# Altium PCB DC-DC_PWM_IV_Controller.PcbDoc (part 2 of 2)
Units mm, origin at the board's own origin, x right, y up, seen from the top; angles counter-clockwise.
Board outline 90.1 x 70.25 mm, 2 copper layers (Top Layer, Bottom Layer); 159 components, 95 nets, 423 pads, 88 vias.
Unrouted connection lines stored in the file: 1.
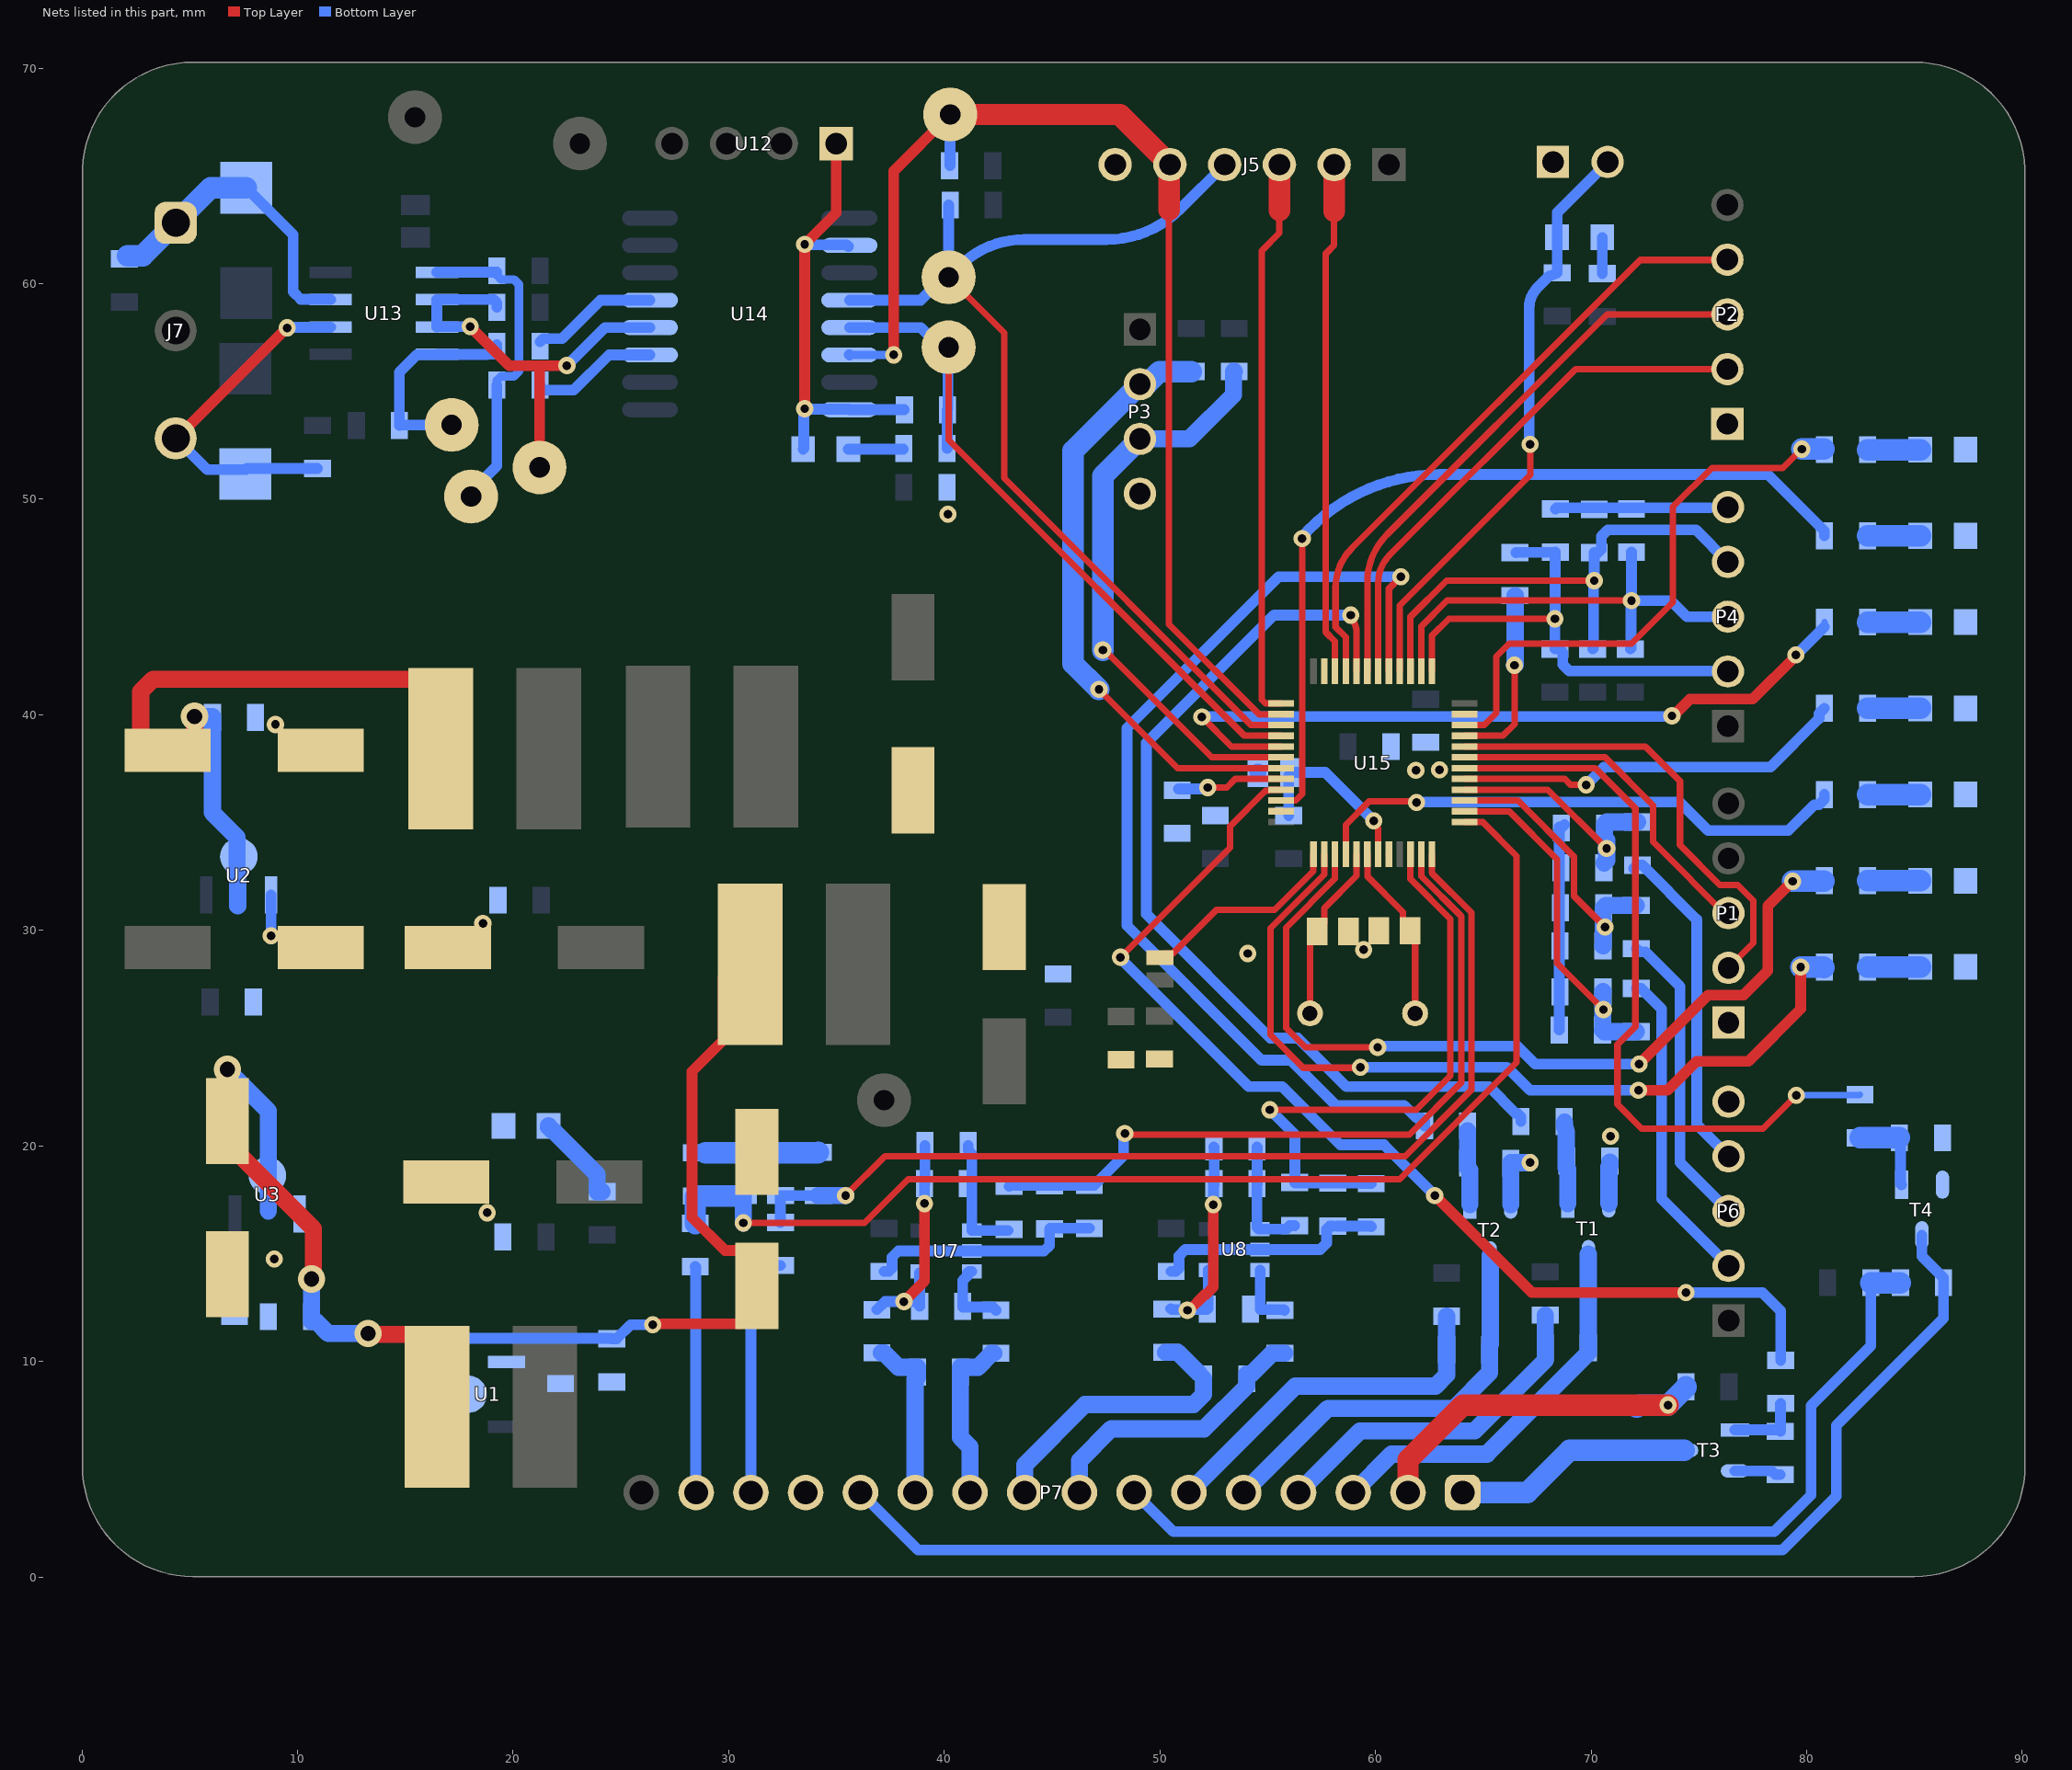
[diagram p2: the nets of this part, all layers, seen from the top]

## Via types
v1: diameter 0.8, hole 0.4, Top Layer to Bottom Layer, tented both sides, 79 vias
v2: diameter 1.27, hole 0.711, Top Layer to Bottom Layer, tented both sides, 8 vias
v3: diameter 0.8, hole 0.4, Top Layer to Bottom Layer, 1 vias

## Nets (pads, with @x,y where several pads share a name; then routed paths per layer and width w, separated by ;. In a path a pad name is that pad's centre, name@x,y a point inside that pad or via, vN(x,y) a via of type N, cw(c..) or ccw(c..) an arc to the next point about the centre after c; other vN are vias at no path point) (continued)
GND_III: C1.1 C2.2 C3.1 C4.2 C5.1 C16.1 C17.1 C18.2 C19.1 C22.2 C23.1 C24.2 C25.1 C30.1 C32.1 C36.1 C37.1 C38.2 C39.2 C40.1 C45.1 C46.2 C49.1 C50.1 C51.1 C52.1 C53.1 C54.2 C55.2 C56.2 C57.1 C58.1 C59.1 C60.1 C61.1 C62.1 C63.1 C64.1 D5.2 D6.2 D7.2 D8.2 D9.2 D10.2 D11.2 D12.2 D13.2 J5.6 P1.1 P2.1 P3.4 P4.5 P5.1 P6.5 P7.13 R4.1 R8.1 R27.2 R28.2 R41.1 R50.1 R51.1 R59.1 R71.1 R72.1 R73.1 R74.1 R75.1 T1.2 T2.2 T3.2 T4.2 U1.1 U2.1 U3.1 U7.2 U8.2 U12.1 U14.2 U14.8 U15.8 U15.23 U15.35 U15.47 | length 74.6
  Top Layer w0.254: v1(33.525,54.2) v1@33.534,54.209
  Top Layer w0.3: U15.8@60.625,33.525 U15.8@60.627,33.527
  Top Layer w0.5: v1@33.534,54.209 33.525,54.218 v1(33.525,61.825) 34.985,63.285 U12.1@34.985,66.5
  Bottom Layer w0.254: v1(33.525,54.2) v1@33.547,54.178 ; U14.2@35.55,61.725 U14.2@35.6,61.775 ; U14.8@35.577,54.178 U14.8@35.6,54.155 ; R41.1@38.145,54.155 R41.1@38.15,54.15
  Bottom Layer w0.5: v1(8.775,29.75) U2.1@8.775,31.644 ; D6.2@33.45,52.325 33.487,52.362 33.487,54.163 v1(33.525,54.2) ; v1(33.525,61.825) 33.55,61.8 35.475,61.8 U14.2@35.55,61.725 ; v1@33.547,54.178 U14.8@35.577,54.178 ; U14.8@35.6,54.155 R41.1@38.145,54.155 ; C16.1@37.204,14.175 37.429,14.175 37.579,14.325 37.579,14.832 37.872,15.125 44.629,15.125 44.879,15.375 C30.1@44.879,16.15 44.904,16.175 R27.2@46.729,16.175 ; C17.1@50.529,14.175 50.74,14.175 50.89,14.325 50.89,14.9 51.182,15.193 U8.2@54.65,15.193 57.439,15.193 57.732,15.486 57.732,16.125 57.882,16.275 R28.2@58.029,16.275 ; R28.2@58.229,16.275 59.779,16.275 C32.1@59.804,16.25 ; C64.1@68.35,49.55 68.402,49.603 75.523,49.603 ; C59.1@68.5,34.625 C59.1@68.775,34.9 ; R73.1@68.531,25.375 C59.1@68.531,34.8 ; P4.5@76.298,49.578 P4.5@76.35,49.63 ; T3.2@76.675,4.925 78.375,4.925 78.55,4.75 R4.1@78.775,4.75
  Bottom Layer w0.8: T2.2@66.275,17.275 66.275,19.225 v1(67.175,19.225) ; T1.2@70.825,17.325 70.825,19.025 70.875,19.075 R50.1@70.875,19.25
  Bottom Layer w1: R71.1@28.925,19.675 28.937,19.688 34.137,19.688 R72.1@34.15,19.7
  other v1: 8.925,14.75 18.8,16.9 70.9,20.45 54.075,28.925 59.45,29.1 18.6,30.325 61.875,37.425 62.975,37.45 8.975,39.55 40.175,49.3
NetC2_1: C2.1 C3.2 L4.1 U1.2 | length 35.5
  Top Layer w0.5: v1(26.475,11.7) 26.525,11.75 30.55,11.75 31.3,12.5 C2.1@31.3,13.5 31.3,14.4 30.55,15.15 29.825,15.15 28.3,16.675 28.3,23.45 29.75,24.9 29.75,27.825 L4.1@30.375,28.45
  Bottom Layer w0.5: 17.025,8.75 17.025,10.782 17.318,11.075 24.55,11.075 C3.2@24.575,11.05 24.8,11.05 25.453,11.703 26.472,11.703 v1(26.475,11.7)
NetC20_1: C20.1 P7.11 R25.1 | length 7.8
  Bottom Layer w0.8: R25.1@37.075,10.4 37.204,10.4 37.879,9.725 38.75,9.725 C20.1@38.75,9.5 38.75,9.275 38.65,9.175 P7.11@38.65,3.92
NetC20_2: C20.2 P7.10 R21.1 | length 7.8
  Bottom Layer w0.8: P7.10@41.19,3.92 41.19,6.035 40.75,6.475 40.75,9.725 41.554,9.725 42.175,10.346 42.175,10.375 R21.1@42.297,10.375
NetC21_1: C21.1 C34.1 R25.2 R29.1 U7.4 | length 11.7
  Top Layer w0.5: v1(38.129,12.775) 39.079,13.725 v1(39.079,17.325)
  Bottom Layer w0.5: R25.2@36.875,12.4 37.25,12.775 v1(38.129,12.775) 38.704,12.775 C21.1@38.854,12.625 ; C21.1@38.854,12.55 C21.1@38.854,12.625 ; U7.4@39.079,14.25 38.929,14.1 38.854,14.1 C21.1@38.854,12.625 ; v1(39.079,17.325) C34.1@39.079,18.25 ; C34.1@39.104,18.25 R29.1@39.104,20.025
NetC21_2: C21.2 R21.2 U7.3 | length 3.5
  Bottom Layer w0.5: U7.3@41.279,14.175 41.154,14.175 41.079,14.1 41.079,13.975 40.85,13.746 40.85,12.525 42.25,12.525 R21.2@42.4,12.375
NetC22_1: C22.1 C23.2 L2.1 U2.2 | length 32.2
  Top Layer w0.8: C22.1@4.15,38.375 3.3,38.375 2.725,38.95 2.725,41.075 3.3,41.65 15.55,41.65 16.35,40.85 L2.1@16.35,38.5 ; C22.1@4.621,38.35 5.221,38.95 v2(5.221,39.925)
  Bottom Layer w0.8: v2@5.221,39.913 6.05,39.913 C23.2@6.05,39.875 6.05,35.774 6.05,35.468 7.2,34.318 U2.2@7.2,32.675 ; 7.225,31.127 U2.2@7.225,32.675
NetC26_1: C26.1 P7.9 R26.1 | length 13.7
  Bottom Layer w0.8: P7.9@43.73,3.92 43.73,5.205 46.525,8 51.56,8 52.029,8.469 C26.1@52.029,9.2 ; R26.1@50.26,10.425 50.834,10.425 C26.1@51.835,9.425
NetC26_2: C26.2 P7.8 R22.1 | length 13.4
  Bottom Layer w0.8: P7.8@46.27,3.92 46.27,5.395 47.75,6.875 52.05,6.875 54.029,8.854 C26.2@54.029,9.2 54.029,9.425 54.254,9.425 55.204,10.375 R22.1@55.779,10.375
NetC27_1: C27.1 C35.1 R26.2 R30.1 U8.4 | length 11.8
  Top Layer w0.5: v1(51.275,12.375) 51.356,12.375 52.078,13.096 52.125,13.096 52.479,13.45 v1(52.479,17.275)
  Bottom Layer w0.5: R26.2@50.504,12.45 50.554,12.4 51.25,12.4 v1(51.275,12.375) 51.3,12.4 52.179,12.4 52.239,12.461 52.239,14.233 U8.4@52.25,14.243 ; v1(52.479,17.275) 52.491,17.288 52.491,18.237 C35.1@52.504,18.25 ; R30.1@52.504,19.95 52.516,19.937 C35.1@52.516,18.187
NetC27_2: C27.2 R22.2 U8.3 | length 3
  Bottom Layer w0.5: U8.3@54.65,14.243 54.65,12.404 54.654,12.4 55.754,12.4 R22.2@55.779,12.375
NetC30_2: C30.2 R23.1 R27.1 U15.11 | length 34.9
  Top Layer w0.3: v1(48.375,20.575) 48.425,20.525 61.575,20.525 63.975,22.925 63.975,30.661 62.127,32.509 62.127,33.523 U15.11@62.125,33.525
  Bottom Layer w0.5: R23.1@43.004,18.125 43.054,18.175 44.879,18.175 46.954,18.175 48.318,19.539 48.318,20.518 v1(48.375,20.575)
NetC32_2: C32.2 R24.1 R28.1 U15.10 | length 27.9
  Top Layer w0.3: v1(55.1,21.675) 61.9,21.675 63.475,23.25 63.475,30.525 61.625,32.375 U15.10@61.625,33.525
  Bottom Layer w0.5: v1(55.1,21.675) 56.264,20.511 56.264,18.45 56.254,18.439 R24.1@56.254,18.3 56.279,18.275 R28.1@58.029,18.275 59.325,18.275 C32.2@59.779,18.275 ; C32.2@59.325,18.25 C32.2@59.804,18.25
NetC34_2: C34.2 R23.2 R29.2 U7.1 | length 5.8
  Bottom Layer w0.254: R23.2@42.954,16.075 R23.2@43.004,16.125
  Bottom Layer w0.5: R29.2@41.104,20.025 41.104,19.8 41.279,19.625 41.279,18.25 U7.1@41.279,16.075 R23.2@42.954,16.075
NetC35_2: C35.2 R24.2 R30.2 U8.1 | length 5.6
  Bottom Layer w0.5: C35.2@54.504,18.25 54.504,16.218 54.579,16.143 U8.1@54.65,16.143 55.872,16.143 56.029,16.3 R24.2@56.254,16.3 ; R30.2@54.504,19.95 54.516,19.937 C35.2@54.516,18.25
NetC38_1: C38.1 C40.2 L3.1 U3.2 | length 29.5
  Top Layer w0.8: v2(6.75,23.55) 6.75,20.15 10.74,16.16 10.74,13.915 v2(10.65,13.825) ; v2(13.275,11.3) 13.325,11.25 15.375,11.25 16.475,10.15 L3.1@16.475,7.9
  Bottom Layer w0.8: v2@6.75,23.525 8.65,21.625 8.65,18.625 8.65,16.978 ; v2@10.675,13.825 10.65,13.8 10.65,11.85 10.875,11.85 11.425,11.3 v2(13.275,11.3)
NetC54_1: C54.1 U15.5 Y1.2 | length 8.3
  Top Layer w0.3: Y1.2@56.96,26.15 56.96,29.462 57.296,29.798 C54.1@57.296,29.95 57.625,30.279 57.625,30.606 ; 57.625,30.607 57.625,31.025 59.125,32.525 U15.5@59.125,33.525
NetC55_1: C55.1 U15.6 Y1.1 | length 8.3
  Top Layer w0.3: U15.6@59.625,33.525 59.627,33.523 59.627,32.498 61.275,30.85 61.275,30.3 61.84,29.735 Y1.1@61.84,26.15
NetC56_1: C56.1 R48.1 U15.7 | length 8.3
  Top Layer w0.3: v1(59.921,35.079) 59.921,34.944 60.125,34.74 U15.7@60.125,33.525
  Bottom Layer w0.5: R48.1@55.975,35.325 C56.1@55.975,37.175 ; C56.1@56.05,37.325 57.675,37.325 v1(59.921,35.079)
NetC57_2: C57.2 R68.2 R71.2 U15.13 | length 56.1
  Top Layer w0.3: v1(30.675,16.425) 36.3,16.425 38.325,18.45 61.125,18.45 66.55,23.875 66.55,33.45 64.975,35.025 U15.13@64.125,35.025
  Bottom Layer w0.8: v1(30.675,16.425) C57.2@30.675,17.675
  Bottom Layer w1: R68.2@28.45,16.4 R71.2@28.45,17.625 ; R71.2@28.5,17.675 C57.2@30.55,17.675
NetC58_2: C58.2 R60.2 R72.2 U15.12 | length 47
  Top Layer w0.3: v1(35.425,17.7) 37.25,19.525 61.375,19.525 64.45,22.6 64.45,30.823 62.625,32.648 U15.12@62.625,33.525
  Bottom Layer w0.5: R60.2@32.4,16.45 C58.2@32.4,17.7 R72.2@34.15,17.7
  Bottom Layer w0.8: R72.2@34.15,17.7 v1(35.425,17.7)
NetC59_2: C59.2 R69.2 R74.2 U15.16 | length 11.2
  Top Layer w0.3: U15.16@64.125,36.525 68,36.525 v1(70.725,33.8)
  Bottom Layer w0.8: R74.2@70.606,33.125 70.725,33.244 70.725,34.179 70.625,34.279 70.625,34.925 70.725,35.025 R69.2@72.15,35.025
NetC60_2: C60.2 R66.2 R75.2 U15.15 | length 13.4
  Top Layer w0.3: U15.15@64.125,36.025 66.6,36.025 69.2,33.425 69.2,31.6 v1(70.65,30.15)
  Bottom Layer w0.8: C60.2@70.556,29.275 70.569,29.287 70.569,31.037 R75.2@70.581,31.05 70.681,31.15 R66.2@72.1,31.15
NetC61_2: C61.2 R61.2 R73.2 U15.14 | length 16.5
  Top Layer w0.3: U15.14@64.125,35.525 66.2,35.525 68.425,33.3 68.425,28.475 v1(70.575,26.325)
  Bottom Layer w0.8: C61.2@70.556,27.15 70.544,27.137 70.544,25.387 R73.2@70.531,25.375 70.606,25.3 R61.2@72.1,25.3
NetC62_2: C62.2 P4.4 R63.1 U15.27 | length 23.8
  Top Layer w0.3: U15.27@61.625,42.025 61.625,44.55 63.3,46.225 v1(70.15,46.225)
  Bottom Layer w0.5: R63.1@70.075,43.05 70.112,43.088 70.112,46.187 v1(70.15,46.225) 70.15,47.475 C62.2@70.175,47.5 ; C62.2@70.15,47.525 70.328,47.525 70.478,47.675 70.478,48.282 70.771,48.575 74.865,48.575 P4.4@76.35,47.09
NetC63_2: C63.2 P4.3 R64.1 U15.26 | length 21.6
  Top Layer w0.3: U15.26@62.125,42.025 62.125,44.1 63.325,45.3 v1(71.875,45.3)
  Bottom Layer w0.5: R64.1@71.825,43.05 71.85,43.075 71.85,45.275 v1(71.875,45.3) ; C63.2@71.875,47.55 v1(71.875,45.3) ; P4.3@76.35,44.55 74.45,44.55 73.7,45.3 v1(71.875,45.3)
NetC64_2: C64.2 P4.2 R65.1 R67.1 U15.25 | length 22
  Top Layer w0.3: U15.25@62.625,42.025 62.627,42.027 62.627,43.677 63.4,44.45 v1(68.325,44.45)
  Bottom Layer w0.5: R67.1@66.525,47.525 66.538,47.538 68.337,47.538 C64.2@68.35,47.55 ; R65.1@68.325,43.05 68.538,43.05 68.688,42.9 68.688,42.328 68.981,42.035 75.575,42.035 ; C64.2@68.325,47.525 68.337,47.513 68.337,44.462 v1(68.325,44.45) 68.325,43.2 R65.1@68.45,43.2
NetD5_1: D5.1 R31.1 | length 4.2
  Bottom Layer w0.8: D5.1@21.65,20.925 21.65,20.875 21.8,20.725 21.85,20.725 23.9,18.675 23.9,17.875 R31.1@24.125,17.875
NetD6_1: D6.1 R40.1 | length 2.6
  Bottom Layer w0.3: R40.1@38.1,52.325 R40.1@38.125,52.35
  Bottom Layer w0.5: D6.1@35.55,52.325 R40.1@38.1,52.325
NetD7_1: D7.1 R52.1 | length 2.5
  Bottom Layer w1: R52.1@82.825,44.3 D7.1@85.275,44.3
NetD8_1: D8.1 R54.1 | length 2.5
  Bottom Layer w1: R54.1@82.825,28.3 D8.1@85.275,28.3
NetD9_1: D9.1 R55.1 | length 2.5
  Bottom Layer w1: R55.1@82.825,32.3 D9.1@85.275,32.3
NetD10_1: D10.1 R56.1 | length 2.4
  Bottom Layer w1: R56.1@82.825,36.3 D10.1@85.275,36.3
NetD11_1: D11.1 R57.1 | length 2.5
  Bottom Layer w1: R57.1@82.825,40.3 D11.1@85.275,40.3
NetD12_1: D12.1 R58.1 | length 2.5
  Bottom Layer w1: R58.1@82.825,48.3 D12.1@85.275,48.3
NetD13_1: D13.1 R53.1 | length 2.4
  Bottom Layer w1: R53.1@82.825,52.3 D13.1@85.275,52.3
NetD14_1: D14.1 R62.1 | length 1.7
  Bottom Layer w0.5: R62.1@70.525,60.475 D14.1@70.525,62.15
NetD14_2: D14.2 P5.2 R70.2 U15.28 | length 27.7
  Top Layer w0.3: U15.28@61.125,42.025 61.125,45.075 67.175,51.125 v1(67.175,52.55)
  Bottom Layer w0.5: v1(67.175,52.55) 67.125,52.6 67.125,58.861 67.125,58.863 cw(c68.482,58.863) 67.522,59.822 68.05,60.35 R70.2@68.425,60.5 D14.2@68.425,62.15 68.425,63.305 P5.2@70.77,65.65
NetJ5_2: J5.2 U15.34 | length 23.8
  Top Layer w0.3: 58.085,63.365 58.085,61.785 57.7,61.4 57.7,43.825 58.125,43.4 U15.34@58.125,42.025
  Top Layer w1: 58.085,63.365 J5.2@58.085,65.525
NetJ5_3: J5.3 U15.37 | length 26.1
  Top Layer w0.3: 55.545,63.4 55.545,62.345 54.725,61.525 54.725,40.703 54.901,40.527 55.623,40.527 U15.37@55.625,40.525
  Top Layer w1: 55.545,63.4 J5.3@55.545,65.525
NetJ5_4: J5.4 R36.1 TP21.1 U14.4 U15.39 | length 51
  Top Layer w0.3: TP21.1@40.2,60.3 42.775,57.725 42.775,50.975 54.225,39.525 U15.39@55.625,39.525
  Bottom Layer w0.5: U14.4@35.6,59.235 38.907,59.235 39.972,60.3 TP21.1@40.2,60.3 ; R36.1@40.2,63.65 TP21.1@40.2,60.3 ; J5.4@53.005,65.525 50.945,63.465 cw(c47.531,66.877) 47.531,62.05 47.529,62.05 43.71,62.05 43.709,62.05 ccw(c43.709,57.804) 40.706,60.806 TP21.1@40.2,60.3
NetJ5_5: J5.5 R33.1 TP23.1 U14.6 U15.38 | length 56
  Top Layer w0.3: 50.425,63.425 50.425,44.2 54.6,40.025 U15.38@55.625,40.025
  Top Layer w0.5: v1(37.65,56.7) 37.65,65.225 TP23.1@40.275,67.85
  Top Layer w1: TP23.1@40.275,67.85 48.14,67.85 J5.5@50.465,65.525 ; 50.425,63.425 J5.5@50.425,65.434
  Bottom Layer w0.4: U14.6@35.6,56.695 35.602,56.698 37.648,56.698 v1(37.65,56.7) ; R33.1@40.25,65.475 R33.1@40.262,65.487 ; TP23.1@40.262,67.838 TP23.1@40.275,67.85
  Bottom Layer w0.5: U14.6@35.585,56.71 U14.6@35.6,56.695 ; R33.1@40.262,65.487 TP23.1@40.262,67.838
NetJ7_1: J7.1 R42.2 U13.7 ZD2.2 | length 14.6
  Bottom Layer w0.5: R42.2@1.975,61.15 R42.2@2.125,61.3 ; ZD2.2@7.618,64.443 ZD2.2@7.625,64.45 9.8,62.275 9.8,59.625 10.15,59.275 11.52,59.275 U13.7@11.535,59.26
  Bottom Layer w1: R42.2@2.125,61.3 2.825,61.3 5.968,64.443 ZD2.2@7.618,64.443
NetJ7_3: J7.3 R32.1 U13.6 ZD1.2 | length 16.5
  Top Layer w0.5: J7.3@4.35,52.825 4.375,52.825 9.5,57.95 v1(9.525,57.95)
  Bottom Layer w0.5: J7.3@4.35,52.825 5.806,51.369 7.6,51.369 7.656,51.425 R32.1@10.925,51.425 ; v1(9.525,57.95) 9.55,57.975 11.52,57.975 U13.6@11.535,57.99
NetJE1_2: JE1.2 U15.1 | length 9.6
  Top Layer w0.3: JE1.2@50,28.733 50.2,28.933 50.608,28.933 52.625,30.95 55.325,30.95 57.123,32.748 57.123,33.523 U15.1@57.125,33.525
NetP1_2: P1.2 U15.20 | length 21.7
  Top Layer w0.3: U15.20@64.125,38.525 72.525,38.525 74.125,36.925 74.125,33.951 75.976,32.1 76.8,32.1 77.525,31.375 77.525,29.41 P1.2@76.375,28.26
NetP1_3: P1.3 U15.19 | length 16.4
  Top Layer w0.3: U15.19@64.125,38.025 70.65,38.025 72.875,35.8 72.875,34.1 P1.3@76.422,30.553
NetP2_2: P2.2 U15.30 | length 25.3
  Top Layer w0.3: U15.30@60.125,42.025 60.125,46.116 ; 60.125,46.117 cw(c61.955,46.117) 60.662,47.412 69.285,56.035 P2.2@76.878,56.035
NetP2_3: P2.3 U15.31 | length 26.6
  Top Layer w0.3: U15.31@59.625,42.025 59.625,46.154 ; 59.625,46.155 cw(c62.751,46.155) 60.541,48.366 70.75,58.575 P2.3@76.325,58.575
NetP2_4: P2.4 U15.33 | length 29.1
  Top Layer w0.3: 58.15,45.897 58.15,44.075 58.625,43.6 U15.33@58.625,42.025 ; 58.15,45.898 cw(c60.75,45.898) 58.912,47.737 72.275,61.1 P2.4@76.325,61.1
NetP3_2: P3.2 R76.1 U15.43 | length 28.5
  Top Layer w0.3: v1(47.175,41.175) 50.825,37.525 U15.43@55.625,37.525
  Bottom Layer w1: v1(47.175,41.175) 45.975,42.375 45.975,52.24 P3.2@49.075,55.34 49.4,55.34 49.985,55.925 R76.1@51.45,55.925
NetP3_3: P3.3 R77.1 U15.42 | length 27.2
  Top Layer w0.3: v1(47.35,43) 47.425,43 52.4,38.025 U15.42@55.625,38.025
  Bottom Layer w0.8: P3.3@49.075,52.8 51.375,52.8 53.414,54.839 53.414,55.925 R77.1@53.45,55.925
  Bottom Layer w1: v1(47.35,43) 47.35,51.075 P3.3@49.075,52.8
NetP6_2: P6.2 R61.1 | length 14.8
  Bottom Layer w0.5: R61.1@72.1,27.3 72.325,27.3 73.275,26.35 73.275,17.54 P6.2@76.38,14.435
NetP6_3: P6.3 R66.1 | length 14.1
  Bottom Layer w0.5: R66.1@72.1,29.15 72.25,29 72.525,29 74.125,27.4 74.125,19.23 P6.3@76.38,16.975
NetP6_4: P6.4 R69.1 | length 15.6
  Bottom Layer w0.5: R69.1@71.982,32.875 72.132,33.025 R69.1@72.15,33.025 72.375,33.025 74.9,30.5 74.9,20.995 P6.4@76.38,19.515
NetP7_1: P7.1 R2.1 T3.3 | length 11.1
  Bottom Layer w1: P7.1@64.05,3.92 67.048,3.92 69.003,5.875 R2.1@72.125,5.875 T3.3@74.325,5.875
NetP7_2: P7.2 R1.1 R2.2 | length 17.3
  Top Layer w1: P7.2@61.51,3.92 61.51,5.435 64.05,7.975 v1(73.575,7.975)
  Bottom Layer w1: R2.2@72.125,7.875 72.225,7.975 v1(73.575,7.975) 74.4,8.8 R1.1@74.4,8.825
NetP7_3: P7.3 R45.1 T1.3 | length 18.2
  Bottom Layer w0.8: P7.3@58.97,3.92 60.75,5.7 65.175,5.7 69.875,10.4 R45.1@69.875,10.625 69.875,10.85 T1.3@69.875,14.975
NetP7_4: P7.4 R43.1 R45.2 | length 16.1
  Bottom Layer w0.8: P7.4@56.43,3.92 59.285,6.775 64.6,6.775 67.875,10.05 67.875,10.85 R43.1@67.875,12.15
NetP7_5: P7.5 R46.1 T2.3 | length 19.2
  Bottom Layer w0.8: P7.5@53.89,3.92 57.795,7.825 63.65,7.825 65.3,9.475 65.3,10.775 65.325,10.8 T2.3@65.325,14.925
NetP7_6: P7.6 R44.1 R46.2 | length 16.9
  Bottom Layer w0.8: P7.6@51.35,3.92 56.28,8.85 62.775,8.85 63.3,9.375 R44.1@63.3,12.1
NetP7_7: P7.7 R5.1 R6.2 | length 45.2
  Bottom Layer w0.5: P7.7@48.81,3.92 50.63,2.1 78.5,2.1 80.2,3.8 80.2,7.95 82.975,10.725 R5.1@82.975,13.65
  Bottom Layer w1: R5.1@82.975,13.65 R6.2@84.35,13.65
NetP7_12: P7.12 R6.1 T4.3 | length 62
  Bottom Layer w0.5: P7.12@36.11,3.92 38.78,1.25 78.875,1.25 81.375,3.75 81.375,7.025 86.35,12 R6.1@86.35,13.65 86.35,13.875 85.35,14.875 T4.3@85.35,15.85
NetP7_14: P7.14 R60.1 | length 11.2
  Bottom Layer w0.5: P7.14@31.03,3.92 31.03,13.305 32.175,14.45 R60.1@32.4,14.45
NetP7_15: P7.15 R68.1 | length 10.5
  Bottom Layer w0.5: R68.1@28.45,14.4 28.47,14.38 28.47,3.94 P7.15@28.49,3.92
NetR3_1: R3.1 U15.45 | length 51
  Top Layer w0.3: v1(48.175,28.75) 53.25,33.825 53.25,34.824 54.904,36.477 55.04,36.477 55.085,36.523 55.623,36.523 U15.45@55.625,36.525
  Top Layer w0.5: v1(62.75,17.7) 67.25,13.2 v3(74.4,13.2)
  Bottom Layer w0.5: v1(48.175,28.75) 48.175,28.7 54.125,22.75 55.675,22.75 58.375,20.05 60.4,20.05 v1(62.75,17.7) ; v3(74.4,13.2) 77.95,13.2 78.8,12.35 R3.1@78.8,10.05
NetR3_2: R3.2 R4.2 T3.1 | length 3.4
  Bottom Layer w0.5: T3.1@76.675,6.825 78.7,6.825 R4.2@78.775,6.75 78.788,6.762 78.788,8.038 R3.2@78.8,8.05
NetR7_1: R7.1 U15.18 | length 35.2
  Top Layer w0.3: U15.18@64.125,37.525 70.2,37.525 72.057,35.668 72.057,25.532 71.225,24.7 71.225,21.925 72.35,20.8 77.975,20.8 v1(79.525,22.35)
  Bottom Layer w0.3: v1(79.525,22.35) 79.537,22.363 82.462,22.363 R7.1@82.475,22.375
NetR7_2: R7.2 R8.2 T4.1 | length 4
  Bottom Layer w0.5: R8.2@84.3,20.375 84.35,20.325 84.35,18.25 T4.1@84.4,18.2
  Bottom Layer w1: R7.2@82.475,20.375 R8.2@84.3,20.375
NetR34_1: R34.1 R37.1 TP19.1 U13.4 | length 10.1
  Bottom Layer w0.5: TP19.1@17.15,53.45 17.138,53.438 14.737,53.438 R34.1@14.725,53.425 14.725,55.9 15.53,56.705 16.45,56.705 U13.4@16.465,56.72 18.807,56.72 18.812,56.725 19.1,56.725 19.25,56.875 R37.1@19.25,57.175
NetR35_1: R35.1 R38.1 TP24.1 U13.1 | length 15.3
  Bottom Layer w0.4: TP24.1@18.05,50.125 TP24.1@18.05,50.341 ; R38.1@19.25,55.3 19.25,55.508 19.45,55.708 20.041,55.708 20.275,55.942 20.275,59.958 20.041,60.192 19.45,60.192 19.25,60.392 R35.1@19.25,60.6
  Bottom Layer w0.5: U13.1@16.465,60.53 R35.1@19.25,60.53 ; TP24.1@18.05,50.341 19.25,51.541 R38.1@19.25,55.3
NetR37_2: R37.2 U14.13 | length 5.9
  Bottom Layer w0.5: R37.2@21.25,57.3 21.4,57.45 22.275,57.45 24.06,59.235 U14.13@26.35,59.235
NetR38_2: R38.2 U14.11 | length 5.9
  Bottom Layer w0.5: R38.2@21.25,55.3 21.25,55.211 21.4,55.061 22.811,55.061 24.445,56.695 U14.11@26.35,56.695
NetR39_2: R39.2 TP22.1 U13.2 U13.3 U14.12 | length 20.2
  Top Layer w0.5: v1(18.01,58.015) 19.825,56.2 21.225,56.2 ; TP22.1@21.225,51.7 21.225,56.2 ; v1(22.495,56.2) 21.225,56.2
  Bottom Layer w0.5: v1(18.01,58.015) 17.997,58.002 16.477,58.002 U13.3@16.465,57.99 U13.2@16.465,59.26 19.1,59.26 19.25,59.11 R39.2@19.25,58.9 ; v1(22.495,56.2) 24.261,57.965 U14.12@26.35,57.965
NetR40_2: R40.2 R41.2 TP20.1 U14.5 U15.40 | length 35.1
  Top Layer w0.3: TP20.1@40.2,57.05 40.2,52.75 53.925,39.025 U15.40@55.625,39.025
  Bottom Layer w0.5: U14.5@35.6,57.965 38.907,57.965 39.822,57.05 TP20.1@40.2,57.05 40.175,57.025 40.175,54.175 R41.2@40.15,54.15 40.137,54.137 40.137,52.362 R40.2@40.125,52.35
NetR47_1: R47.1 U15.32 | length 44
  Top Layer w0.3: v1(58.85,44.625) 59.038,44.222 cw(c58.186,43.826) 59.125,43.826 59.125,43.635 U15.32@59.125,42.025
  Bottom Layer w0.5: v1(58.85,44.625) 55.3,44.625 49.375,38.7 49.375,30.75 55.125,25 56.4,25 58.65,22.75 65.268,22.75 66.518,21.5 66.6,21.5 66.75,21.35 R47.1@66.75,21.125
NetR47_2: R47.2 R50.2 T1.1 | length 3.8
  Bottom Layer w0.8: R47.2@68.775,21.1 68.775,20.875 68.819,20.814 68.85,20.625 68.85,19 68.925,18.925 68.925,18.1 T1.1@68.925,17.325
NetR49_1: R49.1 U15.29 | length 47.1
  Top Layer w0.3: U15.29@60.625,42.025 60.625,45.85 v1(61.175,46.4)
  Bottom Layer w0.5: v1(61.175,46.4) 55.5,46.4 48.475,39.375 48.475,30.225 54.725,23.975 56.075,23.975 58.175,21.875 61.325,21.875 61.9,21.3 62.125,21.3 62.275,21.15 R49.1@62.275,20.925
NetR49_2: R49.2 R51.2 T2.1 | length 3.5
  Bottom Layer w0.8: R49.2@64.275,20.7 R51.2@64.275,19.2 64.275,18.975 64.375,18.875 T2.1@64.375,17.275
NetR52_2: R52.2 U15.41 | length 35.1
  Top Layer w0.3: v1(51.95,39.9) 53.325,38.525 U15.41@55.625,38.525
  Top Layer w0.5: v1(73.75,39.95) 73.812,39.95 74.587,40.725 77.5,40.725 79.5,42.725 v1(79.5,42.775)
  Bottom Layer w0.3: v1@73.725,39.925 v1(73.75,39.95) ; R52.2@80.825,44.075 R52.2@80.825,44.3
  Bottom Layer w0.5: v1(51.95,39.9) 51.975,39.925 v1@73.725,39.925 ; v1(79.5,42.775) 79.525,42.775 R52.2@80.825,44.075
NetR53_2: R53.2 U15.22 | length 26.1
  Top Layer w0.3: U15.22@64.125,39.525 64.127,39.527 65.052,39.527 65.6,40.075 65.6,42.7 66.2,43.3 71.875,43.3 73.8,45.225 73.8,49.65 75.6,51.45 78.9,51.45 v1(79.775,52.325)
  Bottom Layer w0.3: R53.2@80.8,52.325 R53.2@80.825,52.3
  Bottom Layer w1: v1(79.775,52.325) R53.2@80.8,52.325
NetR54_2: R54.2 U15.2 | length 39.7
  Top Layer w0.3: U15.2@57.625,33.525 57.625,32.6 55.125,30.1 55.125,25.15 56.65,23.625 59.275,23.625 v1(59.3,23.65)
  Top Layer w0.5: v1(72.2,22.575) 73.544,22.575 74.894,23.925 77.3,23.925 79.725,26.35 v1(79.725,28.3)
  Bottom Layer w0.3: R54.2@80.8,28.275 R54.2@80.825,28.3
  Bottom Layer w0.5: v1(59.3,23.65) 66.1,23.65 67.175,22.575 v1(72.2,22.575)
  Bottom Layer w1: v1(79.725,28.3) 80.775,28.3 R54.2@80.8,28.275
NetR55_2: R55.2 U15.3 | length 40
  Top Layer w0.3: U15.3@58.125,33.525 58.125,32.4 55.85,30.125 55.85,25.475 56.75,24.575 v1(60.1,24.575)
  Top Layer w0.5: v1(72.225,23.8) 75.425,27 77.075,27 78.2,28.125 78.2,31.125 v1(79.35,32.275)
  Bottom Layer w0.3: R55.2@80.8,32.275 R55.2@80.825,32.3
  Bottom Layer w0.5: v1(60.1,24.575) 60.15,24.625 66.584,24.625 67.409,23.8 v1(72.225,23.8)
  Bottom Layer w1: v1(79.35,32.275) R55.2@80.8,32.275
NetR56_2: R56.2 U15.4 | length 25.4
  Top Layer w0.3: U15.4@58.625,33.525 58.625,34.9 59.7,35.975 61.857,35.975 v1(61.903,35.928)
  Bottom Layer w0.5: v1(61.903,35.928) 61.925,35.95 74.1,35.95 75.425,34.625 79.15,34.625 80.35,35.825 80.575,35.825 80.825,36.075 R56.2@80.825,36.3
NetR57_2: R57.2 U15.17 | length 18.4
  Top Layer w0.3: U15.17@64.125,37.025 68.775,37.025 69.05,36.75 v1(69.775,36.75)
  Bottom Layer w0.5: v1(69.775,36.75) 70.6,37.575 78.325,37.575 80.575,39.825 80.575,40.05 R57.2@80.825,40.3
NetR58_2: R58.2 U15.46 | length 39.4
  Top Layer w0.3: U15.46@55.625,36.025 55.627,36.027 56.301,36.027 56.6,36.326 v1(56.6,48.175)
  Bottom Layer w0.5: v1(56.6,48.175) 56.6,48.256 cw(c62.972,42.688) 62.972,51.15 78.2,51.15 80.825,48.525 R58.2@80.825,48.3
NetR59_2: R59.2 U15.44 | length 5
  Top Layer w0.3: v1(52.225,36.625) 53.1,36.625 53.5,37.025 U15.44@55.625,37.025
  Bottom Layer w0.3: R59.2@50.8,36.5 R59.2@50.863,36.562 ; v1@52.163,36.562 v1(52.225,36.625)
  Bottom Layer w0.5: R59.2@50.863,36.562 v1@52.163,36.562
NetR67_2: R67.2 U15.21 | length 8.5
  Top Layer w0.3: U15.21@64.125,39.025 65.9,39.025 66.45,39.575 v1(66.45,42.3)
  Bottom Layer w0.8: v1(66.45,42.3) 66.475,42.325 R67.2@66.475,45.525
pads on no net: U14.3 U14.14

## Polygon pours and split planes (outlines as drawn)
GND_III on Top Layer "NONET_L-01_P-001" (solid, pour order 2): 0,0 0.125,0.125 0.125,45.625 24.775,45.625 32.625,53.475 32.625,70.275 90.15,70.275 90.15,0
GND_2 on Top Layer "NONET_L-01_P-001" (solid, pour order 1): 0.038,47.757 0.163,47.632 23.263,47.632 23.263,47.707 29.888,54.332 29.888,70.057 2.013,70.057 0.038,68.082
GND_III on Bottom Layer "NONET_L-01_P-001" (solid, pour order 3): 0,0 0.125,0.125 0.125,45.625 24.775,45.625 32.625,53.475 32.625,70.275 90.15,70.275 90.15,0
GND_2 on Bottom Layer "NONET_L-01_P-001" (solid, pour order 0): 0.05,47.75 0.175,47.625 23.275,47.625 23.275,47.7 29.9,54.325 29.9,70.05 2.025,70.05 0.05,68.075

## Keep-outs
Keep-Out Layer:
  circle w0.254: c85,5.15 r1.717
  circle w0.254: c5.15,5.15 r1.717
  lines w0.254: 0.15,65.15 cw(c5.15,65.15) 5.15,70.15 85,70.15 cw(c85,65.15) 90,65.15 ; 0.15,65.3 0.15,5.15 ccw(c5.15,5.15) 5.15,0.15 85,0.15 ccw(c85,5.15) 90,5.15 90,65.3

## Other copper
Top Layer:
  rectangle net GND_III: 8.175,29.275 9.375,30.2
  rectangle net GND_2: 28.6,64.325 29.888,67.529
Bottom Layer:
  rectangle net GND_2: 28.775,64.575 29.9,67.529

## Silkscreen, mask and mechanical layers (free items; w line width, h text height)
Top Overlay:
  text "A" at 3.379,67.304 h1
  text "O4" at 73.654,63.329 h0.8
  text "CLK" at 55.304,62.221 h0.8 r270
  text "RX" at 50.329,62.196 h0.8 r270
  text "TX" at 52.829,62.171 h0.8 r270
  text "DIO" at 57.804,62.146 h0.8 r270
  text "3.3" at 60.429,62.146 h0.8 r270
  text "O3" at 73.629,60.729 h0.8
  text "INT" at 71.046,60.429 h0.8 r90
  text "GND" at 68.503,60.341 h0.8 r90
  text "GND" at 48.296,60.129 h0.8 r90
  text "O2" at 73.579,58.129 h0.8
  text "GND" at 10.816,57.922 h0.8
  text "3.3" at 53.758,57.629 h0.8
  text "O1" at 73.604,55.454 h0.8
  text "SDA" at 53.004,55.104 h0.8
  text "GND" at 72.958,53.015 h0.8
  text "SCL" at 52.929,52.479 h0.8
  text "GND" at 52.916,49.922 h0.8
  text "GND" at 73.058,49.24 h0.8
  text "B" at 3.929,48.504 h1
  text "A" at 74.129,46.729 h0.8
  text "B" at 74.179,44.279 h0.8
  text "C" at 74.154,41.579 h0.8
  text "+5" at 73.381,38.628 h0.8
  text "+5" at 73.531,35.378 h0.8
  text "O7" at 73.804,32.929 h0.8
  text "O6" at 73.554,30.654 h0.8
  text "O5" at 73.454,27.829 h0.8
  text "GND" at 73.058,25.365 h0.8
  text "GND" at 73.008,21.715 h0.8
  text "C1" at 73.937,19.197 h0.8
  text "B1" at 73.879,16.629 h0.8
  text "A1" at 73.929,14.054 h0.8
  text "+5" at 73.331,11.503 h0.8
  text "CAT_1" at 54.374,6.228 h0.8 r90
  text "AN_3" at 61.874,5.955 h0.8 r90
  text "+5" at 26.497,5.929 h0.8 r90
  text "I2" at 28.971,5.929 h0.8 r90
  text "I1" at 31.596,5.929 h0.8 r90
  text "GND" at 34.021,5.929 h0.8 r90
  text "+5" at 36.547,5.929 h0.8 r90
  text "O_N2" at 38.988,5.929 h0.8 r90
  text "O_P2" at 41.465,5.929 h0.8 r90
  text "O_N1" at 43.897,5.929 h0.8 r90
  text "O_P1" at 46.838,5.929 h0.8 r90
  text "GND" at 49.321,5.929 h0.8 r90
  text "AN_1" at 51.922,5.929 h0.8 r90
  text "AN_2" at 57.072,5.929 h0.8 r90
  text "CAT_3" at 64.326,5.903 h0.8 r90
  text "CAT_2" at 59.524,5.878 h0.8 r90
Bottom Overlay:
  text "CAT_3" at 64.188,9.296 h0.8 r90
  text "CAT_2" at 59.233,8.75 h0.7 r90
  text "AN_3" at 61.888,8.571 h0.8 r90
  text "CAT_1" at 54.283,8.425 h0.7 r90
  text "O_N2" at 38.983,8.2 h0.7 r90
  text "O_P2" at 41.583,8.15 h0.7 r90
  text "AN_2" at 56.858,8.1 h0.7 r90
  text "O_P1" at 46.608,8.025 h0.7 r90
  text "O_N1" at 44.258,8 h0.7 r90
  text "AN_1" at 51.833,7.875 h0.7 r90
  text "GND" at 34.025,7.45 h0.7 r90
  text "GND" at 49.225,7.45 h0.7 r90
  text "+5" at 36.425,6.9 h0.7 r90
  text "+5" at 26.35,6.7 h0.7 r90
  text "I2" at 28.95,6.625 h0.7 r90
  text "I1" at 31.425,6.375 h0.7 r90

## Text inside footprints (layer, text, board x,y; h text height)
P7: Top Overlay "16" at 25.45,0.825 h0.8